# Altium PCB gpn-badge.PcbDoc (part 1 of 2)
Units mm, origin at the board's own origin, x right, y up, seen from the top; angles counter-clockwise.
Board outline 33.25 x 156.75 mm, 2 copper layers (Top Layer, Bottom Layer), stack 1.571 mm thick; 107 components, 92 nets, 457 pads, 381 vias.
Unrouted connection lines stored in the file: 2.
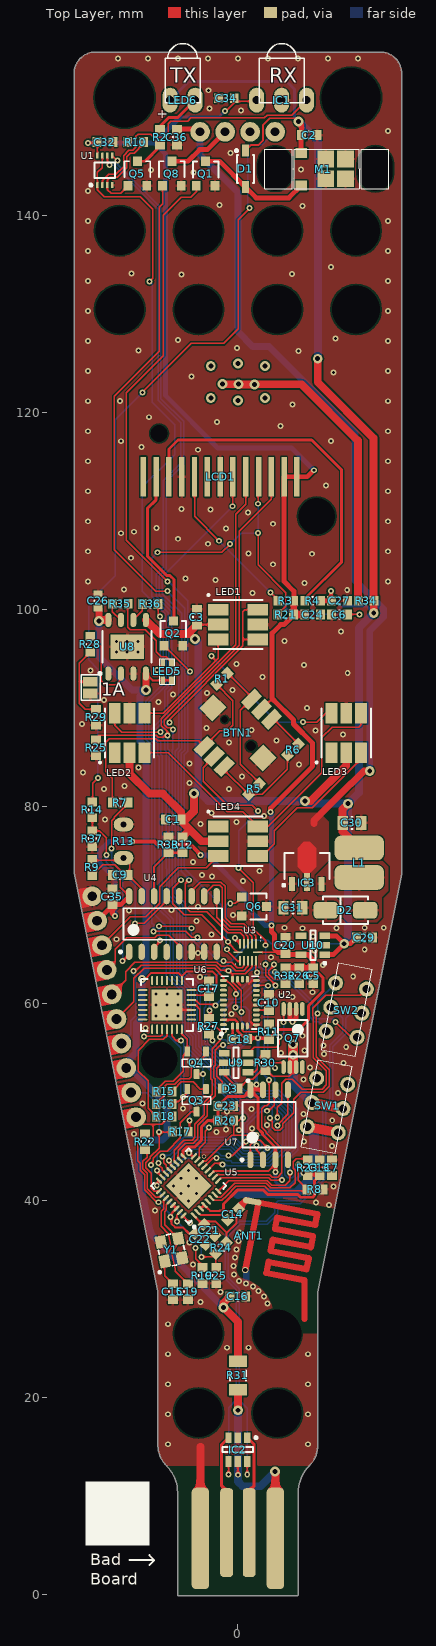
[diagram p0: Top Layer view]
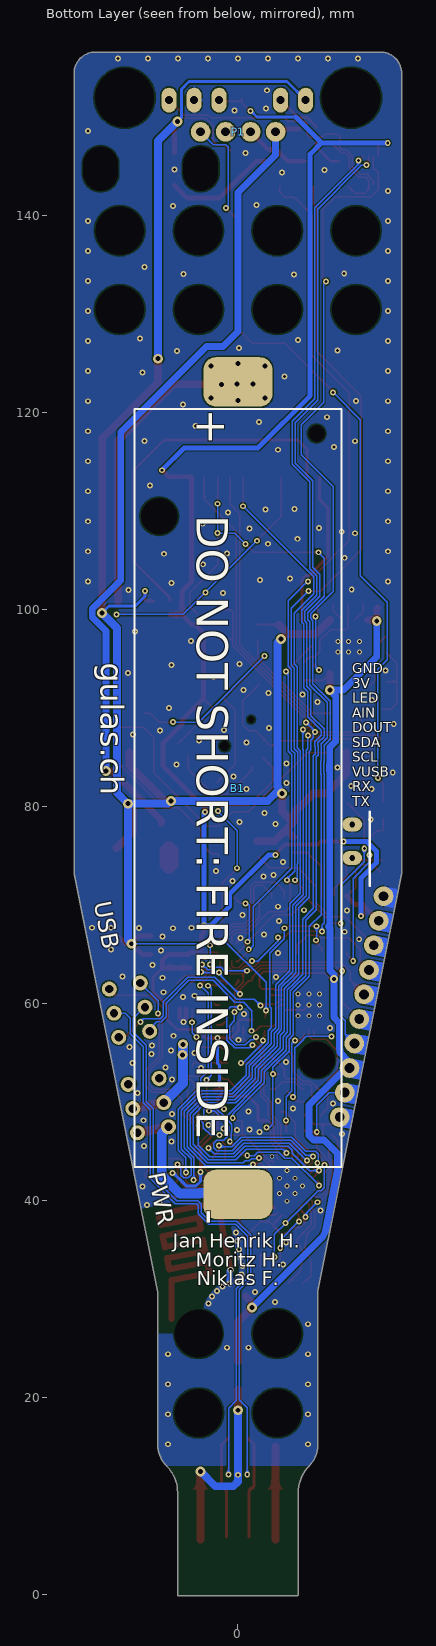
[diagram p1: Bottom Layer view, seen from below]
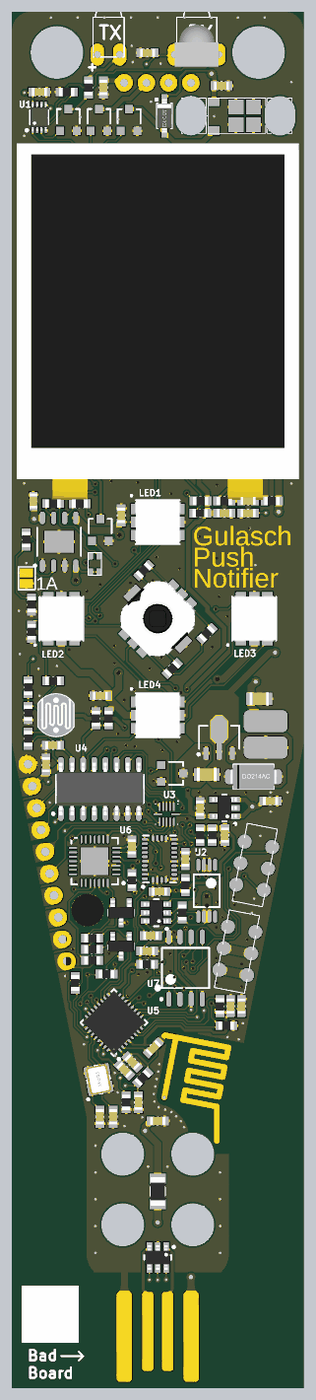
[diagram p3: 3D render of the assembled board from above, using the file's embedded part models]

## Layer stack, top to bottom
Top Solder: solder mask 0.0102, Solder Resist, Dk 3.5
Top Layer: signal copper 0.0356
Dielectric 1: dielectric 1.5, FR-4, Dk 4.8
Bottom Layer: signal copper 0.0356
Bottom Solder: solder mask 0.0102, Solder Resist, Dk 3.5

## Board outline
-7.241,13.061 cw(c-5.098,15.202) -8.126,15.107 cw(c-8,15.126) -8.127,15.126 -8.127,30.787 -16.625,73.275 cw(c-16.5,73.3) -16.627,73.3 -16.627,154.5 cw(c-14.5,154.5) -14.5,156.627 14.5,156.627 cw(c14.5,154.5) 16.627,154.5 16.627,73.2 cw(c16.5,73.2) 16.625,73.175 8.127,30.687 8.127,15.202 ccw(c8,15.202) 8.127,15.203 8.127,15.202 cw(c5.098,15.202) 7.241,13.061 cw(c5.098,15.202) 7.24,13.06 ccw(c7.15,13.15) 7.241,13.061 7.24,13.06 ccw(c9.926,10.374) 6.127,10.374 6.127,0 cw(c6,0) 6,-0.127 -6,-0.127 cw(c-6,0) -6.127,0 -6.127,10.374 ccw(c-9.926,10.374) -7.24,13.06 cw(c-7.15,13.15)

## Design rules (kind name [scope] priority, off if disabled: settings)
Clearance [All] p1: gap=0.15 ignorepadtopadclearanceinfootprint=FALSE except(0: Arc-Hole Track-Hole SMDPad-Hole THPad-Hole Via-Hole Fill-Hole Poly-Hole Region-Hole Text-Hole)
ComponentClearance [All] p1 off: gap=0.254 collisioncheckmode=3 verticalgap=0.254 showdistances=FALSE
DiffPairsRouting [All] p1: maxlimit=0.254 minlimit=0.15 mostfreqgap=0.15 toplayer_minwidth=0.15 toplayer_maxwidth=0.381 toplayer_prefwidth=0.15 bottomlayer_minwidth=0.15 bottomlayer_maxwidth=0.381 bottomlayer_prefwidth=0.15 maxuncoupledlength=12.7
PolygonConnect [All vs IsVia] p1: connectstyle=Direct reliefconductorwidth=0.254 reliefentries=4 polygonreliefangle="90 Angle" airgapwidth=0.254
PolygonConnect PolygonConnect_1 [All] p2: connectstyle=Relief reliefconductorwidth=0.3 reliefentries=4 polygonreliefangle="90 Angle" airgapwidth=0.1
RoutingVias [All] p1: holewidth=0.3 width=0.6 viastyle="Through Hole" minholewidth=0.3 minwidth=0.5 maxholewidth=0.8 maxwidth=1.4
SolderMaskExpansion [All] p1: expansion=0.102
Width [All] p1: maxlimit=1 minlimit=0.15 preferedwidth=0.15
28 further rules are at their usual default settings.

## Classes and differential pairs
component class gpio: *1 BTN1 C1 C2 C3 C5 C6 C7 C9 C10 C13 IC1 LCD1 LED1 LED2 LED3 LED4 LED6 Q2 Q5 R1 R2 R3 R4 R5 R6 R7 R8 R9 R10 R11 R12 R13 R14 R33 R37 U1 U2 U3 U4
component class power: B1 C26 C27 C29 C30 C31 C36 D1 D2 D3 IC2 IC3 L1 LED5 M1 P1 Q1 Q6 Q7 Q8 R27 R28 R29 R30 R31 R34 R35 R36 SW1 SW2 U8 U9 U10
component class cpu: ANT1 C14 C15 C16 C17 C18 C19 C20 C21 C22 C23 C24 C25 C32 C34 C35 Q3 Q4 R15 R16 R17 R18 R19 R20 R21 R22 R23 R24 R25 R26 R32 U5 U6 U7 Y1
differential pair USB: +USB_P -USB_N
differential pair SER: +SER_P -SER_N
differential pair PCB: +PCB_P -PCB_N
differential pair SW: +SW_P -SW_N

## Components (designator, comment, footprint, x,y, rotation, side; value= is the part's Value field where it differs from the comment)
ANT1 "ESP-ANTENNA" ESP8266_ANT 1.854,34.898 r0 top
B1 "18650-Holder" 18650–Holder-SMD 0,81.9 r180 bottom
BTN1 "joystick" joystick 0,87.5 r45 top
C1 "100n 25V" C-0603-M -6.553,78.713 r0 top
C2 "100n 25V" C-0603-M 7.264,148.209 r180 top
C3 "100n 25V" C-0603-M -4.166,99.263 r270 top
C5 "100n 25V" C-0603-M 7.645,62.84 r90 top
C6 "100n 25V" C-0603-M 10.312,99.517 r0 top
C7 "220p 50V" C-0603-M 9.55,43.358 r90 top
C9 "100n 25V" C-0603-M -11.963,73.076 r0 top
C10 "100n 25V" C-0603-M 3.15,60.12 r270 top
C13 "100n 25V" C-0603-M 8.306,43.358 r270 top
C14 "5.6p 50V" C-0603-M -0.5,38.6 r45 top
C15 "5.6p 50V" C-0603-M -6.604,30.758 r90 top
C16 "1u 10V" C-0603-M 0,30.275 r180 top
C17 "100n 25V" C-0603-M -2.946,61.517 r270 top
C18 "100n 25V" C-0603-M 0.203,56.412 r0 top
C19 "5.6p 50V" C-0603-M -5.08,30.758 r90 top
C20 "1u 10V" C-0603-M 4.825,65.913 r270 top
C21 "10u 6,3V" C-0603-M -2.9,37 r135 top
C22 "100n 25V" C-0603-M -3.8,36.1 r135 top
C23 "1u 10V" C-0603-M -1.219,49.63 r180 top
C24 "100n 25V" C-0603-M 7.595,99.517 r180 top
C25 "220p 50V" C-0603-M -2.2,32.4 r90 top
C26 "10u 6,3V" C-0603-H -14.2,100.9 r270 top
C27 "10u 6,3V" C-0603-M 10.312,100.914 r180 top
C29 "1u 10V" C-0603-M 12.852,66.724 r180 top
C30 "47u 6.3V" C-0805-M 11.582,78.358 r180 top
C31 "47u 6.3V" C-0805-M 5.588,69.747 r0 top
C32 "100n 25V" C-0603-M -13.5,147.5 r180 top
C34 "100n 25V" C-0603-M -1.168,151.943 r0 top
C35 "100n 25V" C-0603-M -12.751,70.865 r270 top
C36 "1u 10V" C-0603-M -6.198,148.006 r90 top
D1 "BAT54T1G" SOD123 0.762,144.779 r90 top
D2 "B230A-13-F" DIODE-SMA 10.922,69.493 r270 top
D3 "RB520S30T1G" C-0603-M -0.787,51.384 r0 top
IC1 "TL1838" TL1838 4.445,151.5 r0 top
IC2 "USBLC6-2SC6" SOT23-6 0,14.731 r270 top
IC3 "BL8530" SOT89-150P409X160-3N 7.009,73.96 r90 top
L1 "L" L 12.319,74.319 r270 top
LCD1 "LCD" LCD -16.203,103.511 r0 top
LED1 "WS2813" plcc6 0,98.5 r0 top
LED2 "WS2813" plcc6 -11,87.5 r90 top
LED3 "WS2813" plcc6 11,87.5 r90 top
LED4 "WS2813" plcc6 0,76.5 r0 top
LED5 "DUO_LED" LEDDUO -7.931,95.039 r270 top
LED6 "IR_LED" IR_LED -5.613,151.5 r0 top
M1 "VIBRATOR" VIBRATOR_SMD 15.326,146.779 r180 top
P1 "Header 4H" HDR1X4H_wo_silk -3.835,148.539 r0 bottom
Q1 "AO3400" AO-SOT23-3_V -3.277,144.296 r0 top
Q2 "AO3400" AO-SOT23-3_V -6.553,97.611 r0 top
Q3 "NPN_MMBT3904" SOT23-3 -4.191,50.189 r270 top
Q4 "NPN_MMBT3904" SOT23-3 -4.191,53.999 r270 top
Q5 "AO3400" AO-SOT23-3_V -10.2,144.3 r0 top
Q6 "AO3400" AO-SOT23-3_V 1.651,69.874 r270 top
Q7 "CEG8205" SOP64P640X265-8N 5.588,56.514 r270 top
Q8 "AO3400" AO-SOT23-3_V -6.7,144.3 r0 top
R1 "100k" R-0603-M -1.6,93 r225 top
R2 "100" R-0603-M -7.899,148.006 r90 top
R3 "12k" R-0603-M 4.877,100.914 r180 top
R4 "33" R-0603-M 7.595,100.914 r0 top
R5 "100k" R-0603-M 1.651,81.812 r45 top
R6 "100k" R-0603-M 5.6,85.8 r225 top
R7 "200k" R-0603-M -11.938,80.416 r180 top
R8 "100k" R-0603-M 7.823,41.148 r180 top
R9 "100k" R-0603-M -14.783,73.838 r270 top
R10 "12k" R-0603-M -10.389,147.498 r0 top
R11 "12k" R-0603-M 3.15,57.149 r270 top
R12 "330k" R-0603-M -5.613,76.148 r90 top
R13 "LDR" LDR-5mm -11.608,76.503 r90 top
R14 "330k" R-0603-M -14.783,79.68 r90 top
R15 "12k" R-0603-M -7.493,51.103 r0 top
R16 "12k" R-0603-M -7.493,49.833 r180 top
R17 "470" R-0603-M -5.842,47.014 r179.6 top
R18 "470" R-0603-M -7.493,48.563 r0 top
R19 "12k" R-0603-M -3.6,32.4 r270 top
R20 "1.2k" R-0603-M -1.219,48.132 r180 top
R21 "4k7" R-0603-M 4.851,99.517 r180 top
R22 "12k" R-0603-M -9.423,45.998 r270 top
R23 "12k" R-0603-M 7.087,43.358 r90 top
R24 "12k" R-0603-M -1.7,35.2 r225 top
R25 "12k" R-0603-M -14.4,86 r90 top
R26 "4k7" R-0603-M 6.223,62.84 r270 top
R27 "100" R-0603-M -2.946,57.707 r90 top
R28 "1.2k" R-0603-M -15,96.5 r90 top
R29 "1.2k" R-0603-M -14.4,89.1 r90 top
R30 "1.2k" R-0603-M 2.794,54.026 r90 top
R31 "0.27" R-1206-M 0,22.25 r90 top
R32 "4k7" R-0603-M 4.826,62.84 r270 top
R33 "1M" R-0603-M -7.061,76.149 r270 top
R34 "0" R-0603-M 13.03,100.914 r0 top
R35 "470" R-0603-M -11.938,100.608 r0 top
R36 "470" R-0603-M -8.9,100.6 r0 top
R37 "1M" R-0603-M -14.783,76.759 r90 top
SW1 "SWITCH_2P2T" SWITCH_THT 8.17,54.319 r259 top
SW2 "SWITCH_2P2T" SWITCH_THT 11.935,54.681 r79 top
U1 "74LVC2G125" DCU0008A_L -13.513,144.628 r90 top
U2 "BNO-055 I2C" BNO-055 0.201,60.115 r90 top
U3 "PCA9571" SON40P210X100-10N 1.016,65.226 r270 top
U4 "CD4051BM" D0016A_M -6.604,68.096 r90 top
U5 "ESP8266EX" QFN32-5x5mm -5,41.5 r135 top
U6 "CP2102-GM" SLAB-QFN-28-3125x3125TP_M -7.199,59.876 r180 top
U7 "W25Q64" SOIC127P790X100-8N 3.175,47.7 r90 top
U8 "TP4056" SOIC127P600X20_HS-9N -11.25,96.25 r90 top
U9 "DW01A" SOT23-6 -0.178,54 r180 top
U10 "MIC5501-3.3V" SOT23-5 7.62,65.937 r180 top
Y1 "26MHz" 3225 -6.75,35 r101 top

## Footprints (in the part's own frame and the unit in brackets; to place one, negate y for a bottom-side part, rotate by r counter-clockwise, add the part's x,y. Pads: shape width x height; smd on the part's side, far side on the other; paste and mask are expansions set on the pad)
3225 [mm]
  rrect20% 1.3x1.1 smd: 1(-1,0.9) 2(1,0.9) 3(1,-0.9) 4(-1,-0.9)
  silkscreen extent -2.1,-1.3 1.6,1.7, body extent -1.6,-1.25 1.6,1.25, height 0.81
18650–Holder-SMD [mm]
  round 0 hole 3.7: 0(-8,27.6) 0(8,-27.6)
  round 0 hole 1.7: 0(8,36)
  rrect50% 7x5 smd: 1(0,41.25) 2(0,-41.25)
  silkscreen extent -10.5,-38.5 10.5,38.5, body extent -10.49,-38.5 10.49,38.46, height 21.46
AO-SOT23-3_V [mm] "SOT23, 3-Leads, Body 3.016x2.8mm, Pitch 0.95mm"
  rect 0.9x0.95 smd: 1(-0.95,-1.25) 2(0.95,-1.25) 3(0,1.25)
  silkscreen extent -1.3,-0.38 1.3,1.25, body extent -1.14,-1.25 1.17,1.36, height 1.25
BNO-055 [mm] "BNO055"
  oval 0.3x0.7 smd: 1(-2.245,1.671) 6(-2.255,-1.671) 7(-1.755,-1.671) 8(-1.255,-1.671) 9(-0.755,-1.671) 10(-0.255,-1.671) 11(0.245,-1.671) 12(0.745,-1.671) 13(1.245,-1.671) 14(1.745,-1.671) 15(2.245,-1.671) 20(2.255,1.671) 21(1.755,1.671) 22(1.255,1.671) 23(0.755,1.671) 24(0.255,1.671) 25(-0.245,1.671) 26(-0.745,1.671) 27(-1.245,1.671) 28(-1.745,1.671)
  oval 0.7x0.3 smd: 2(-2.382,0.744) 3(-2.382,0.244) 4(-2.382,-0.256) 5(-2.382,-0.756) 16(2.368,-0.756) 17(2.368,-0.256) 18(2.368,0.244) 19(2.368,0.744)
  silkscreen extent -3.3,-1.88 2.68,2, body extent -2.58,-1.88 2.57,1.87, height 1.18
C-0603-H [mm] "Chip Resistor, Body 1.6x0.8mm, IPC High Density"
  rect 0.7x0.9 smd: 1(-0.7,0) 2(0.7,0)
  silkscreen extent -0.05,-0.35 0.05,0.35, body extent -0.85,-0.45 0.85,0.45, height 0.9
C-0603-M [mm] "Chip Resistor, Body 1.6x0.8mm, IPC Medium Density"
  rect 0.9x1 smd: 1(-0.8,0) 2(0.8,0)
  silkscreen extent -0.05,-0.4 0.05,0.4, body extent -0.85,-0.45 0.85,0.45, height 0.9
C-0805-M [mm] "Chip Resistor, Body 2.0x1.3mm, IPC Medium Density"
  rect 1.05x1.4 smd: 1(-0.95,0) 2(0.95,0)
  silkscreen extent -0.05,-0.6 0.05,0.6, body extent -1.1,-0.72 1.1,0.73, height 1.35
D0016A_M [mm] "SOIC, 16-Leads, Body 10x4mm, Pitch 1.27mm, IPC Low Density"
  oval 1.65x0.65 smd: 1(-2.825,4.445) 2(-2.825,3.175) 3(-2.825,1.905) 4(-2.825,0.635) 5(-2.825,-0.635) 6(-2.825,-1.905) 7(-2.825,-3.175) 8(-2.825,-4.445) 9(2.825,-4.445) 10(2.825,-3.175) 11(2.825,-1.905) 12(2.825,-0.635) 13(2.825,0.635) 14(2.825,1.905) 15(2.825,3.175) 16(2.825,4.445)
  silkscreen extent -2.95,-5 1.6,5.44, body extent -3,-4.95 3,4.95, height 1.59
DCU0008A_L [mm] "SOP, 8-Leads, Body 2.4x2.1mm, Pitch 0.5mm, IPC High Density"
  rrect40% 0.6x0.25 smd: 1(-1.5,0.75) 2(-1.5,0.25) 3(-1.5,-0.25) 4(-1.5,-0.75) 5(1.5,-0.75) 6(1.5,-0.25) 7(1.5,0.25) 8(1.5,0.75)
  silkscreen extent -1.62,-1.05 0.8,1.55, body extent -1.56,-1 1.56,1, height 0.9
DIODE-SMA [mm]
  rrect50% 1.7x2.5 smd: 1(0,2) 2(0,-2)
  silkscreen extent -1.4,-2.3 1.4,2.3, body extent -1.4,-2.74 1.4,2.74, height 2.34
ESP8266_ANT [mil] "ESP8266_ANT"
  oval 75x25 smd rot 169 paste-78.74: 1(-15.69,198.06)
  round 25 hole 16 paste-78.74: 2(-43.62,-76.66)
  Top Layer lines w25: -43.62,-76.66 8.85,193.29 244.44,147.49 235.86,103.32 83.71,132.9 75.12,88.72 227.27,59.15 218.68,14.97 66.53,44.55 57.95,0.38 210.1,-29.2 201.51,-73.37 49.36,-43.8 40.77,-87.97 192.93,-117.55 192.93,-271.96
HDR1X4H_wo_silk [mm]
  round 2 hole 0.9: 1(0,0) 2(2.54,0) 3(5.08,0) 4(7.62,0)
IR_LED [mil]
  oval 60x99.37 hole 31.5: 1(-50,10) 2(50,10)
  silkscreen extent -70,0 70,236
joystick [mm]
  round 0 hole 1 unplated: 0(0,-1.9)
  round 0 hole 0.7 unplated: 0(0,1.9)
  rect 2x1.1 smd: 1(-3.39,1.43) 2(-3.39,0) 3(-3.39,-1.43) 4(3.39,1.43) 5(3.39,0) 6(3.39,-1.43)
  rect 2x1.9 smd: 7(0,-3.6) 7(0,3.6)
  body extent -3.74,-3.75 3.74,3.75, height 5
L [mm]
  rrect50% 2.5x5 smd: 1(-1.5,0) 2(1.5,0)
LCD [mm]
  rect 0.55x4 smd: 1(22.2,10) 2(20.9,10) 3(19.6,10) 4(18.3,10) 5(17,10) 6(15.7,10) 7(14.4,10) 8(13.1,10) 9(11.8,10) 10(10.5,10) 11(9.2,10) 12(7.9,10) 13(6.6,10)
  body extent 0.1,-2.5 32.3,38.1, height 0
LDR-5mm [mm]
  oval 1.4x2 hole 0.6: 1(-1.7,0) 2(1.7,0)
  body extent -2.52,-2.12 2.52,2.13, height 3.17
LEDDUO [mm]
  rect 0.75x0.5 smd: 1(2.2,1.2) 2(0.4,1.2) 3(2.2,0.3) 4(0.4,0.3)
  silkscreen extent 0,0 2.6,1.5
plcc6 [mm]
  rect 2.1x1.2 smd: 1(-2,1.5) 2(-2,0) 3(-2,-1.5) 4(2,-1.5) 5(2,0) 6(2,1.5)
  silkscreen extent -3.1,-2.5 2.5,3.1, body extent -2.6,-2.48 2.6,2.53, height 1.6
QFN32-5x5mm [mm]
  oval 0.8x0.25 smd: 1(-2.5,1.75) 2(-2.5,1.25) 3(-2.5,0.75) 4(-2.5,0.25) 5(-2.5,-0.25) 6(-2.5,-0.75) 7(-2.5,-1.25) 8(-2.5,-1.75) 17(2.5,-1.75) 18(2.5,-1.25) 19(2.5,-0.75) 20(2.5,-0.25) 21(2.5,0.25) 22(2.5,0.75) 23(2.5,1.25) 24(2.5,1.75)
  oval 0.25x0.8 smd: 9(-1.75,-2.5) 10(-1.25,-2.5) 11(-0.75,-2.5) 12(-0.25,-2.5) 13(0.25,-2.5) 14(0.75,-2.5) 15(1.25,-2.5) 16(1.75,-2.5) 25(1.75,2.5) 26(1.25,2.5) 27(0.75,2.5) 28(0.25,2.5) 29(-0.25,2.5) 30(-0.75,2.5) 31(-1.25,2.5) 32(-1.75,2.5)
  rect 3.3x3.3 smd: 33(0,0)
  silkscreen extent -3.47,-2.7 2.7,2.7, body extent -2.51,-2.51 2.51,2.51, height 0.8
R-0603-M [mm] "Chip Resistor, Body 1.6x0.8mm, IPC Medium Density"
  rect 0.9x1 smd: 1(-0.8,0) 2(0.8,0)
  silkscreen extent -0.05,-0.4 0.05,0.4, body extent -0.87,-0.47 0.88,0.48, height 0.55
R-1206-M [mm] "Chip Resistor, Body 3.2x1.6mm, IPC Medium Density"
  rect 1.15x1.8 smd: 1(-1.45,0) 2(1.45,0)
  silkscreen extent -0.5,-0.8 0.5,0.8, body extent -1.62,-0.82 1.63,0.83, height 0.7
SLAB-QFN-28-3125x3125TP_M [mm] "QFN, 28-Leads, Body 5x5mm, Pitch 0.5mm, Thermal Pad 3.13x3.13mm, IPC Low Density"
  oval 0.95x0.2 smd: 1(-2.475,1.5) 2(-2.475,1) 3(-2.475,0.5) 4(-2.475,0) 5(-2.475,-0.5) 6(-2.475,-1) 7(-2.475,-1.5) 15(2.475,-1.5) 16(2.475,-1) 17(2.475,-0.5) 18(2.475,0) 19(2.475,0.5) 20(2.475,1) 21(2.475,1.5)
  oval 0.2x0.95 smd: 8(-1.5,-2.475) 9(-1,-2.475) 10(-0.5,-2.475) 11(0,-2.475) 12(0.5,-2.475) 13(1,-2.475) 14(1.5,-2.475) 22(1.5,2.475) 23(1,2.475) 24(0.5,2.475) 25(0,2.475) 26(-0.5,2.475) 27(-1,2.475) 28(-1.5,2.475)
  rect 3.13x3.13 smd: 29(0,0)
  silkscreen extent -3.42,-2.65 2.65,2.65, body extent -2.5,-2.5 2.5,2.5, height 1
SOD123 [mm]
  rect 1.2x0.7 smd: 1(-1.85,0) 2(1.85,0)
  silkscreen extent -1.43,-0.85 1.97,1.02, body extent -1.93,-0.85 1.93,0.85, height 1.42
SOIC127P600X20_HS-9N [mm] "SOIC, 8-Leads, Body 4,90x3,90mm, Pitch 1,27mm, Thermal Pad 3,40x2,50mm, IPC Medium Density"
  oval 1.45x0.6 smd: 1(-2.725,1.905) 2(-2.725,0.635) 3(-2.725,-0.635) 4(-2.725,-1.905) 5(2.725,-1.905) 6(2.725,-0.635) 7(2.725,0.635) 8(2.725,1.905)
  rect 2.5x3.4 smd: 9(0,0)
  silkscreen extent -2.85,-2.5 1.6,2.88, body extent -2,-2.5 2,2.5, height 1
SOIC127P790X100-8N [mm] "SOIC, 8-Leads, Body 5.28x5.28mm, Pitch 1.27mm, IPC Medium Density"
  oval 1.7x0.6 smd: 1(-3.55,1.905) 2(-3.55,0.635) 3(-3.55,-0.635) 4(-3.55,-1.905) 5(3.55,-1.905) 6(3.55,-0.635) 7(3.55,0.635) 8(3.55,1.905)
  silkscreen extent -3.67,-2.7 2.3,2.88, body extent -2.7,-2.7 2.7,2.7, height 1
SON40P210X100-10N [mm] "SON, 10-Leads, Body 2.30x2.05mm, Pitch 0.40mm, IPC Medium Density"
  rect 0.95x0.2 smd: 1(-0.865,0.8) 2(-0.865,0.4) 3(-0.865,0) 4(-0.865,-0.4) 5(-0.865,-0.8) 7(0.865,-0.8) 8(0.865,-0.4) 9(0.865,0) 10(0.865,0.4) 11(0.865,0.8)
  rect 0.2x0.95 smd: 6(0,-1) 12(0,1)
  silkscreen extent -1.55,-1.3 1.15,1.35, body extent -1.05,-1.2 1.05,1.2, height 1
SOP64P640X265-8N [mm] "SOP, 8-Leads, Body 3.00x4.40mm, Pitch 0.64mm, IPC Medium Density"
  oval 1.4x0.45 smd: 1(-2.95,0.952) 2(-2.95,0.317) 3(-2.95,-0.318) 4(-2.95,-0.953) 5(2.95,-0.952) 6(2.95,-0.317) 7(2.95,0.318) 8(2.95,0.953)
  silkscreen extent -1.85,-1.5 1.85,1.5, body extent -2.25,-1.5 2.25,1.5, height 2.65
SOT23-3 [mm] "SOT23, 3 pin"
  round 0.5 on Mech15: 0(0,0)
  rrect25% 1x0.6 smd: 1(-1.15,0.95) 2(-1.15,-0.95) 3(1.15,0)
  silkscreen extent -0.38,-1.45 0.38,1.45, body extent -1.4,-1.45 1.4,1.45, height 1.29
SOT23-5 [mm] "SOT23, 5-Leads, Body 2.9x1.6mm, Pitch 0.95mm, Lead Span 2.8mm, IPC Medium Density"
  rect 1.1x0.65 smd: 1(-1.2,0.95) 2(-1.2,0) 3(-1.2,-0.95) 4(1.2,-0.95) 5(1.2,0.95)
  silkscreen extent -1.33,-1.5 0.25,1.95, body extent -1.4,-1.45 1.4,1.45, height 1.45
SOT23-6 [mm] "SOT23, 6-Leads, Body 2.9x1.6mm, Pitch 0.95mm, Lead Span 2.8mm, IPC Medium Density"
  rect 1.1x0.65 smd: 1(-1.2,0.95) 2(-1.2,0) 3(-1.2,-0.95) 4(1.2,-0.95) 5(1.2,0) 6(1.2,0.95)
  silkscreen extent -1.32,-1.55 0.25,1.95, body extent -1.4,-1.45 1.4,1.45, height 1.45
SOT89-150P409X160-3N [mm] "SOT89, 3-Leads, Body 4.50x2.45mm, Pitch 1.50mm, Lead Span 4.1mm, IPC Medium Density"
  rect 1.4x0.6 smd: 1(-1.8,1.5) 3(-1.8,-1.5)
  rect 1.8x0.6 smd: 2(-1.6,0)
  Top Layer region: -0.7,0.3 -0.05,0.95 1.85,0.95 2.5,0.3 2.5,-0.3 1.85,-0.95 -0.05,-0.95 -0.7,-0.3
  silkscreen extent -2.05,-2.3 1.32,2.47, body extent -1.28,-2.3 1.32,2.3, height 1.6
SWITCH_THT [mm]
  round 1.524 hole 0.85 paste+0: 1(1.9,0.2) 2(4.4,0.2) 3(6.9,0.2) 4(6.9,3.4) 5(4.4,3.4) 6(1.9,3.4)
  silkscreen extent 0,0 9,3.5
TL1838 [mil]
  oval 60x99.37 hole 31.5: 1(-100,10) 2(0,10) 3(100,10)
  silkscreen extent -90,0 90,236, body extent -100,-44 100,144, height 433
VIBRATOR_SMD [mm]
  rect 1.2x1 smd: 1(8.9,0.4) 2(8.9,3.7)
  rect 1.7x1.7 smd: SH(4.4,3) SH(4.4,1) SH(6.4,3) SH(6.4,1)
  silkscreen extent 0,0 12.6,4

## Part data
ANT1: library part ESP-ANT
B1: library part 18650–Holder
C1 C2 C3 C5 C6 C9 C10 C13 C17 C18 C22 C24 C32 C34 C35: library part C-0603-100n-25V, "Capacitor 100n 25V", Supplier Part Number 1=80-C0603C104K3R, Supplier 1=Mouser
C7 C25: library part C-0603-220p-50V, "Capacitor 220p 50V", Supplier Part Number 1=80-C0603C221F5GAC, Supplier 1=Mouser
C14 C15 C19: library part C-0603-5p6-50V, "Capacitor 5.6pF 50V", Supplier Part Number 1=80-C0603C569C5GACTM, Supplier 1=Mouser
C16 C20 C23 C29 C36: library part C-0603-1u-10V, "Capacitor 1uF 10V", Supplier Part Number 1=80-C0603C105K8P, Supplier 1=Mouser
C21 C26 C27: library part C-0603-10u-6,3V, "Capacitor 10uF 6,3V", Supplier Part Number 1=80-C0603C106M9P, Supplier 1=Mouser
C30 C31: library part C-0805-47u-6.3V, "Capacitor 47u 6.3V", Supplier Part Number 1=80-C0805C476M9P, Supplier 1=Mouser
D1: library part D-BAT54T1G, Supplier Part Number 1=863-BAT54T1G, Supplier 1=Mouser
D2: library part D-B230A-13-F, Supplier Part Number 1=621-B230A-F, Supplier 1=Mouser
D3: library part CMP-1055-00482-1, "Schottky Barrier Diode, 2-Pin SOD-523, Pb-Free, Tape and Reel", Manufacturer="On Semiconductor", ComponentLink1Description="Manufacturer URL", ComponentLink1URL=http://www.onsemi.com/, ComponentLink2Description=Datasheet, ComponentLink2URL=http://www.onsemi.cn/pub_link/Collateral/RB520S30T1-D.PDF, ComponentLink3Description="Package Specification", ComponentLink3URL=http://www.onsemi.com/pub_link/Collateral/502-01.PDF, Configuration=Single, DatasheetVersion="Rev. 10", Mounting Technology="Surface Mount", PackageDescription="2-Pin SOD, Body 1.2 x 0.8 mm", PackageReference=SOD-523-2-502-01, PackageVersion="Rev. E, 09/2010", Packing="Tape and Reel", PartNumber=RB520S30T1G, RoHS=TRUE
IC2: "USB protection"
LED1 LED2 LED3 LED4: "WS2813 Addressable LED"
M1: "rawr"
P1: "Header, 4-Pin, Right Angle", LatestRevisionDate=17-Jul-2002, LatestRevisionNote="Re-released for DXP Platform.", Publisher="Altium Limited"
Q1 Q2 Q5 Q6 Q8: library part CMP-0278-00001-1, "N-channel Enhancement Mode Field-Effect Transistor; 5.8A/30V", Drain-Source Voltage Limit="30 V", Gate-Source Voltage Limit="+/-12 V", Junction Temperature="-55 to 150 degC", Manufacturer="Alpha and Omega", Channel Type=N, ComponentLink1Description="Manufacturer URL", ComponentLink1URL=http://www.aosmd.com/, ComponentLink2Description=Datasheet, ComponentLink2URL=http://www.aosmd.com/res/data_sheets/AO3400.pdf, ComponentLink3Description="Package Specification", ComponentLink3URL=http://www.aosmd.com/res/packaging_information/SOT-23.pdf, DatasheetVersion="Rev.8, 12/2011", Mounting Technology="Surface Mount", PackageDescription="3-Pin SOT23, 3.016 x 2.8 mm Body, 0.95 mm Pitch", PackageReference=SOT23, PartNumber=AO3400, Storage Temperature="-55 to 150 degC"
Q3 Q4: "Transistor SMD NPN 40V 0.2A 250mW SOT-23", Manufacturer 1="Fairchild Semiconductor", Manufacturer 2="NXP Semiconductors", Manufacturer Part Number 1=S8050, Manufacturer Part Number 2=PMBT3904,215, Package / Case=SOT-23, Ratings="40V; 200mA; 250mW", Supplier Part Number 1=MMBT3904FSCT-ND, ComponentLink1Description=http://www.fairchildsemi.com/ds/MM/MMBT3904.pdf, ComponentLink1URL=http://www.fairchildsemi.com/ds/MM/MMBT3904.pdf, ComponentLink2Description=http://www.nxp.com/documents/data_sheet/PMBT3904.pdf, ComponentLink2URL=http://www.nxp.com/documents/data_sheet/PMBT3904.pdf, Material=Si, Mounting Type="Surface Mount", SCDType=source, Supplier 1=Digi-Key, Supplier 2=Digi-Key, Supplier Part Number 2=568-1741-1-ND, Transistor Type=NPN
Q7: library part MOSFET-CEG8205, "Dual mini mosfet 20V 4.5A", Supplier 1=AliExpress
R1 R5 R6 R8: library part R-0603-100k, "Resistor 100k", Supplier Part Number 1=71-CRCW0603-100K-E3, Supplier 1=Mouser
R2 R27: library part R-0603-100, "Resistor 100", Supplier Part Number 1=71-CRCW0603-100-E3, Supplier 1=Mouser
R3 R10 R11 R15 R16 R19 R22 R23 R24 R25: library part R-0603-12k, "Resistor 12k", Supplier Part Number 1=71-CRCW0603-12K-E3, Supplier 1=Mouser
R4: library part R-0603-10, "Resistor 10", Supplier Part Number 1=71-CRCW0603-10-E3, Supplier 1=Mouser
R7: library part R-0603-200k, "Resistor 200k", Supplier Part Number 1=71-CRCW0603-200K-E3, Supplier 1=Mouser
R9 R12 R14: library part R-0603-300k, "Resistor 300k", Resistance=300k, Supplier Part Number 1=71-CRCW0201300KFKED, Supplier 1=Mouser
R17 R18 R35 R36: library part R-0603-470, "Resistor 470", Supplier Part Number 1=71-CRCW0603-470K-E3, Supplier 1=Mouser
R20 R28 R29 R30: library part R-0603-1k2, "Resistor 1.2k"
R21: library part R-0603-4k7, "Resistor 4k7", Supplier Part Number 1=71-CRCW0603-12K-E3, Supplier 1=Mouser
R26 R32: library part R-0603-4k7, "Resistor 4k7", Supplier Part Number 1=71-CRCW0603-4.7K-E3, Supplier 1=Mouser
R31: library part R-1206-0R27, "Resistor 0.27", Supplier Part Number 1=71-RCWE1206R270FKEA, Supplier 1=Mouser
R33 R37: library part R-0603-1, "Resistor 1", Supplier Part Number 1=71-CRCW06031R00FKEAH, Supplier 1=Mouser
R34: library part R-0603-0, "Resistor 0", Supplier Part Number 1=71-CRCW0603-0-E3, Resistance=0, Supplier 1=Mouser
U1: library part CMP-0859-00683-3, "Dual Bus Buffer Gate With 3-State Outputs, DCU0008A, SMALL T&R", F @ Nom Voltage(Max)(Mhz)=150, Generic Part Number=SN74LVC2G126, ICC @ Nom Voltage(Max)(mA)=0.01, Manufacturer="Texas Instruments", Operating Temperature Range(C)="-40 to 125", Rating=Catalog, tpd @ Nom Voltage(Max)(ns)=9.8,4.9,4,3.2, Voltage(Nom)(V)=1.8,2.5,3.3,5, 3-State Output=Yes, Bits(#)=2, DatasheetVersion=SCES205L, Input Type=CMOS/TTL, Logic=True, Output Drive (IOL/IOH)(Max)(mA)=32/-32, Output Type=CMOS, PackageReference=DCU0008A, PartId=1, Schmitt Trigger=No, Sub-Family="Non-Inverting Buffer/Driver", Technology Family=LVC, VCC(Max)(V)=5.5, VCC(Min)(V)=1.65
U2: library part BNO-055-I2C, "Bosch Sensortec 9-Axis motion fusion sensor", Supplier Part Number 1=262-BNO055, Supplier 1=Mouser
U3: "I2C Port extender"
U4: library part CMP-1575-00043-4, "CMOS Single 8-Channel Analog Multiplexer/Demultiplexer with Logic-Level Conversion, D0016A, TUBE", Generic Part Number=CD4051B, Manufacturer="Texas Instruments", Operating Temperature Range(C)="-55 to 125", Rating=Military, Bandwidth(Max)(MHz)=20, Code_JEDEC="MS-012 variation AC", Configuration="1 X 1:8 MUX", Crosstalk=Yes, DatasheetVersion=SCHS047G, ICC(Typ)(mA)=0.00008, Output Drive (IOL/IOH)(Max)(mA)=1, Output Type=CMOS, PackageReference=D0016A, PackageVersion=http://www.ti.com/lit/ml/mpds178g/mpds178g.pdf, Ron(Max)(Ohms)=240, Ron(Typ)(Ohms)=125, VCC(Max)(V)=18, VCC(Min)(V)=5
U6: library part CMP-0511-00012-1, "Single-Chip USB to UART Bridge, 1024 Bytes EEPROM, -40 to 85 degC, 28-pin QFN, Tube", Manufacturer="Silicon Labs", Code_IPC=J-STD-020C, Code_JEDEC=MO-220, ComponentLink1Description="Manufacturer URL", ComponentLink1URL=http://www.silabs.com/, ComponentLink2Description=Datasheet, ComponentLink2URL=http://www.silabs.com/Support%20Documents/TechnicalDocs/CP2102-9.pdf, ComponentLink3Description="Package Specification", ComponentLink3URL=http://www.silabs.com/Support%20Documents/TechnicalDocs/C8051T61x.pdf, DatasheetVersion="Rev. 1.5", EEPROM="1024 Bytes", Internal Oscillator=TRUE, Mounting Technology="Surface Mount", PackageDescription="28-Pin Quad-Flat No-Leads Package, Body 5 x 5 mm, Pitch 0.5 mm", PackageReference=QFN-28, PartId=1, PartNumber=CP2102-GM, Sub-Family="USB Bridges"
U7: "8MB / 64Mib Flash"
U8: "1A standalone linear charging IC", Supplier 1=AliExpress
U9: "Single Cell LiIon LiPo Protection"
U10: Supplier Part Number 1=998-MIC5501-3.0YM5TR, Supplier 1=Mouser
Y1: library part 3225-26MHz

## Free pads (board coordinates)
  round 0 hole 6 unplated: 0(-11.5,152) 0(11.5,152)
  round 2 hole 1: 1(-14.789,70.914) 1(-14.295,68.423) 1(-13.802,65.931) 1(-13.309,63.439) 1(-12.815,60.948) 1(-12.322,58.456) 1(-11.829,55.965) 1(-11.335,53.473) 1(-10.846,50.976) 1(-10.338,48.487)
  rrect50% 1.778x10.3 smd paste-10: 1(-3.81,5.7) 4(3.81,5.7)
  rrect50% 1.3x9 smd paste-10: 2(-1.143,6.3) 3(1.143,6.3)
  round 0 hole 4.9 unplated: 4(-12,130.5) 4(-4,18.45) 4(4,130.5) 5(-4,130.5) 5(4,18.45) 5(12,130.5) 6(-4,138.5) 6(4,26.5) 6(12,138.5) 7(-12,138.5) 7(-4,26.5) 7(4,138.5)
  rect 1.5x1 smd paste-10: 8(-15,91.5) 8(-15,92.7)
  round 0 hole 3.5 slot 4.5 at 90 deg unplated: ""(3.785,144.805) ""(13.945,144.78)

## Via types
v1: diameter 0.6, hole 0.3, Top Layer to Bottom Layer, tented both sides, 331 vias
v2: diameter 1, hole 0.5, Top Layer to Bottom Layer, tented both sides, 25 vias
v3: diameter 0.5, hole 0.3, Top Layer to Bottom Layer, 23 vias
v4: diameter 0.8, hole 0.4, Top Layer to Bottom Layer, tented both sides, 1 vias
v5: diameter 0.4, hole 0.3, Top Layer to Bottom Layer, tented both sides, 1 vias

## Nets (pads, with @x,y where several pads share a name; then routed paths per layer and width w, separated by ;. In a path a pad name is that pad's centre, name@x,y a point inside that pad or via, vN(x,y) a via of type N, cw(c..) or ccw(c..) an arc to the next point about the centre after c; other vN are vias at no path point)
5V: C31.2 C36.2 D2.2 IC3.2 P1.1 | length 84.7
  Top Layer w0.5: C36.2@-6.198,148.806 -4.102,148.806 P1.1@-3.835,148.539
  Top Layer w0.7: 7.747,78.307 7.747,78.612 11.481,82.345 11.481,82.32 12.803,83.642 v2(13.386,83.642)
  Bottom Layer w0.7: P1.1@-3.835,148.539 -3.835,146.202 0,142.367 0,128.25 1.5,126.75 3.171,126.75 11.9,118.021 11.9,102.976 14.792,100.084 14.792,99.255 13.386,97.849 v2(13.386,83.642)
ADC: C7.1 R8.2 U4.3 U5.6 | length 58
  Top Layer w0.15: U4.3@-8.509,65.271 -8.509,65.684 -7.925,66.269 v1(-7.925,66.446) ; v1(-8.001,67.869) -4.928,67.869 v1(-4.724,67.666) ; U5.6@-2.388,40.05 -2.371,40.034 -1.623,40.034 -1.15,40.506 -1.15,40.513 -0.218,41.445 2.748,41.445 3.205,40.988 6.863,40.988 R8.2@7.023,41.148 6.108,42.063 6.108,43.649 6.121,43.663 v1(6.13,43.663) 6.245,43.663 6.517,43.391 8.741,43.391 9.55,42.581 C7.1@9.55,42.558 ; C7.1@9.144,42.202 C7.1@9.5,42.558
  Bottom Layer w0.15: v1(-8.001,67.869) -8.001,66.523 v1(-7.925,66.446) ; v1(-4.724,67.666) -4.724,66.599 -3.251,65.126 -3.251,59.67 -3.395,59.526 -3.395,57.576 -3.09,57.271 -3.09,56.044 -0.872,53.825 -0.872,52.738 0.714,51.152 3.789,51.152 5.763,49.179 5.763,45.239 4.758,44.235 4.758,42.632 5.066,42.325 5.501,42.325 5.808,42.632 5.808,43.341 v1(6.13,43.663)
ALKSNS: R14.1 R37.2 U4.1 | length 17.5
  Top Layer w0.15: R14.1@-14.783,78.88 R37.2@-14.783,77.559 -14.084,77.559 -13.335,76.81 -13.36,76.784 v1(-13.36,75.082) ; v1(-11.709,64.338) -11.049,64.999 U4.1@-11.049,65.271
  Bottom Layer w0.15: v1(-13.36,75.082) -13.36,74.346 -11.709,72.695 v1(-11.709,64.338)
BATLVL: R12.1 R33.2 U4.14 | length 6.7
  Top Layer w0.2: U4.14@-8.509,70.667 U4.14@-8.509,70.921 -8.509,73.901 R33.2@-7.061,75.349 -7.06,75.348 R12.1@-5.613,75.348
BNO_INT: U2.14 U5.10 | length 29.1
  Top Layer w0.15: U5.10@-2.348,42.384 -2.087,42.645 3.245,42.645 3.491,42.4 4.027,42.4 4.445,42.817 4.445,45.288 2.86,46.874 2.86,46.97 2.85,46.98 2.85,47.056 2.425,47.481 2.425,47.729 2.423,47.731 2.423,49.343 2.733,49.652 2.943,49.652 3.175,49.884 v1(3.175,52.248) ; U2.14@1.872,61.86 U2.14@1.919,61.86 ; U2.14@1.874,61.814 U2.14@1.919,61.86 ; v1(3.048,61.824) 3.012,61.86 U2.14@1.919,61.86
  Bottom Layer w0.15: v1(3.048,61.824) 2.973,61.824 2.701,61.551 2.701,52.722 v1(3.175,52.248)
EN: R23.2 U5.7 | length 13.1
  Top Layer w0.15: U5.7@-2.348,40.616 -2.066,40.334 -1.747,40.334 -1.45,40.63 -1.45,40.637 -0.343,41.745 2.873,41.745 3.33,41.288 5.285,41.288 5.808,41.811 5.808,43.067 5.605,43.27 5.605,43.959 5.904,44.258 R23.2@7.087,44.258
ESP_RX: pad.1@-10.846,50.976 R17.2 U5.25 | length 15.1
  Top Layer w0.15: U5.25@-8.005,40.97 -8.512,40.97 -8.788,41.247 -8.788,42.803 -9.339,43.354 -9.339,43.873 -8.882,44.33 -8.882,44.449 -8.01,45.321 v1(-8.01,46.954) -6.962,46.954 R17.2@-6.642,47.274
  Bottom Layer w0.15: pad.1@-10.846,50.976 -9.271,50.976 -8.001,49.706 -8.001,47.008 -8.055,46.954 v1(-8.01,46.954)
ESP_TX: pad.1@-10.338,48.487 R18.2 R22.2 U5.26 | length 13.8
  Top Layer w0.15: pad.1@-10.338,48.208 pad.1@-10.338,48.487 -9.601,47.751 -8.611,47.751 ; U5.26@-7.652,40.616 -7.902,40.366 -8.332,40.366 -9.182,41.215 -9.182,42.772 -9.639,43.229 -9.639,43.997 -9.22,44.415 -9.22,45.452 -8.611,46.062 -8.611,47.751 ; R18.2@-6.693,48.792 -7.734,47.751 -8.611,47.751
GND: ANT1.2 BTN1.7 C1.1 C2.1 C3.1 C5.1 C6.1 C7.2 C9.1 C10.1 C13.1 C15.1 C16.1 C17.1 C18.1 C19.1 C20.1 C21.1 C22.1 C23.1 C24.1 C25.1 C26.1 C27.1 C29.1 C30.1 C32.1 C34.1 C35.1 C36.1 IC1.2 IC2.2 LCD1.7 LCD1.10 LED1.5 LED2.5 LED3.5 LED4.5 M1.SH pad.1@-3.81,5.7 pad.1@-14.789,70.914 pad.8@-15,91.5 Q1.2 Q2.2 Q5.2 Q6.2 Q7.2 Q7.3 Q8.2 R8.1 R10.1 R13.2 R19.2 R25.1 R29.1 R33.1 R37.1 U1.4 U2.2 U2.5 U2.6 U2.10 U2.15 U2.16 U2.18 U2.25 U3.5 U4.6 U4.7 U4.8 U5.33 U6.3 U6.29 U7.4 U8.1 U8.3 U8.9 U10.2 Y1.2 Y1.4 | length 21.9
  Top Layer w0.2: v3(-7.199,59.876) -6.699,59.376 U6.3@-4.724,59.376 ; C18.1@-0.813,56.196 C18.1@-0.597,56.412 -0.543,56.466 U2.2@-0.543,57.733 ; v1(-0.275,66.653) -0.275,66.594 0.216,66.103 U3.5@0.216,66.091 ; U2.18@-0.043,62.483 -0.043,62.217 0.257,61.917 ; 1.114,62.007 1.467,62.36 U2.15@1.872,62.36 ; 1.329,58.137 1.607,57.86 U2.6@1.872,57.86 U2.6@2.144,57.86 ; U2.10@1.872,59.86 2.238,59.86 2.355,59.977
  Top Layer w0.5: Q7.3@5.271,59.464 5.271,58.483 5.348,58.405 5.348,58.33 v1(5.537,58.141) 5.905,58.509 Q7.2@5.905,59.464
  Top Layer w0.8: pad.1@-3.81,5.612 pad.1@-3.81,5.7 -3.81,15.01
  Bottom Layer w0.635: ANT1.2@0.746,32.951 0.838,32.859 v1(0.838,31.571)
  other v1: -7.112,15.264 7.112,15.264 -7.112,18.312 7.112,18.312 -7.112,21.36 7.112,21.36 -7.112,24.408 7.112,24.408 -1.092,25.068 1.092,25.068 -7.112,27.456 2.997,29.566 -3.785,29.691 2.642,30.251 -1.753,30.709 2.108,30.81 1.549,31.293 0.102,31.852 -0.381,32.487 -0.457,33.35 -4.572,33.527 -0.279,34.214 -0.127,35.052 -4.902,35.762 0.051,35.916 0.178,36.754 -8.407,39.014 9.246,39.573 7.95,39.827 9.703,41.427 9.55,45.568 6.731,45.999 -10.566,46.787 -2.184,46.965 0.1,47.177 -1.194,47.219 1.45,47.325 2.975,47.675 9.58,48.163 6.68,48.819 -1.092,49.047 1.4,49.325 -5.588,49.352 -9.675,49.875 -4.064,50.114 10.185,50.952 6.68,52.324 3.759,53.467 7.341,53.518 10.719,53.975 -4.875,54.075 8.763,54.915 4.394,54.991 6.782,55.245 10.998,55.601 8.712,55.753 -0.076,56.337 6.553,56.744 -9.373,57.531 -0.635,58.953 5.563,60.681 4.42,60.808 7.569,61.163 7.645,62.636 -3.861,62.713 11.709,62.763 8.661,63.932 3.353,64.719 -4.064,65.151 7.798,65.405 12.878,65.507 -12.319,66.548 7.645,66.827 -2.667,67.031 -10.82,67.31 6.579,67.666 10.033,67.691 4.724,67.716 12.878,67.716 14.808,67.716 -4.191,68.402 -0.483,69.012 -11.074,69.469 -6.731,69.494 -4.064,69.85 0.533,72.466 -2.616,72.923 -3.632,73.076 2.21,73.482 -4.572,74.397 -3.81,78.232 -0.152,78.461 -13.487,78.715 2.642,79.07 -2.692,79.375 -13.589,81.788 -0.889,81.788 -11.506,82.118 -4.928,82.398 0.432,83.058 -15.723,83.464 -10.109,83.972 6.223,84.277 -4.928,84.404 -0.889,86.538 3.937,86.716 10.668,87.325 7.899,87.732 1.397,87.782 -3.175,87.984 -15.824,88.392 7.01,90.018 -8.077,90.627 -13.6,90.85 -6.579,91.389 -3.124,91.567 -0.559,91.846 2.489,93.167 11.151,93.599 -14.986,93.826 6.731,94.386 -0.152,94.513 4.75,96.85 10.465,97.79 1.499,101.727 11.1,102.03 -11.557,102.057 6.756,102.718 -15.24,102.894 15.24,102.894 -2.261,103.022 -5.309,103.175 3.556,104.623 -10.846,105.283 7.518,105.689 1.092,105.715 -15.24,105.942 15.24,105.942 -3.048,106.705 -6.071,107.213 -11.887,107.772 -10.541,107.925 -1.194,108.255 -8.255,108.306 3.581,108.736 -15.24,108.99 15.24,108.99 1.016,109.879 -2.794,110.185 -5.74,110.235 -15.24,112.038 15.24,112.038 8.941,112.624 -15.24,115.086 15.24,115.086 -4.064,116.256 -9.779,116.535 -11.887,117.119 9.474,117.143 -15.24,118.134 15.24,118.134 4.318,118.667 -2.134,119.075 -9.042,119.558 5.563,120.853 -15.24,121.182 -11.989,121.183 15.24,121.182 -4.724,123.698 9.703,124.079 -15.24,124.23 15.24,124.23 6.172,126.289 -10.109,126.314 -0.102,126.594 -15.24,127.278 15.24,127.278 -6.096,127.406 9.931,127.533 -15.24,130.326 15.24,130.326 -15.24,133.374 15.24,133.374 -5.715,134.036 5.512,134.112 -10.795,134.137 9.474,134.798 -15.24,136.422 15.24,136.422 -15.24,139.47 15.24,139.47 6.579,141.021 -1.88,141.122 -15.24,142.518 -4.496,144.399 -8.814,144.653 6.426,144.729 -0.762,146.38 15.24,148.614 0.33,150.724 -2.87,150.901 -2.972,152.756 -12.192,155.98 -9.144,155.98 -6.096,155.98 -3.048,155.98 0,155.98 3.048,155.98 6.096,155.98 9.144,155.98 12.192,155.98
  other v3: -5,39.944 -5.778,40.722 -4.222,40.722 -6.556,41.5 -5,41.5 -5.778,42.278 -4.222,42.278 -5,43.056 -8.299,58.776 -7.199,58.776 -6.099,58.776 -8.299,59.876 -6.099,59.876 -8.299,60.976 -7.199,60.976 -6.099,60.976 -12.35,95.7 -11.25,95.7 -10.15,95.7 -12.35,96.8 -11.25,96.8 -10.15,96.8
  other v5: -3.45,44.5
GPIO0: LCD1.4 Q4.3 R21.2 U5.15 | length 93.9
  Top Layer w0.15: v1(-8.179,105.842) -1.626,105.842 v1(-0.787,106.68) ; Q4.3@-4.191,52.849 v1@-3.551,52.849 ; U5.15@-4.116,44.152 -3.925,44.343 -3.925,45.325 -3.314,45.936 -3.314,47.029 v1(-2.921,47.422) ; v1(2.057,107.798) 2.057,104.572 4.877,101.752 4.877,100.343 R21.2@4.051,99.517 ; v1(2.057,110.768) 2.057,113.457 LCD1.4@2.1,113.5 ; v1@-3.551,52.849 v1(-3.55,52.85)
  Bottom Layer w0.15: v1(-8.179,105.842) -8.768,105.253 -8.768,101.394 -7.074,99.701 -7.074,98.996 -7.299,98.771 -7.299,92.352 -9.059,90.592 -9.059,86.994 -8.425,86.36 -8.425,86.353 -8.449,86.329 -8.449,84.681 -8.434,84.666 -8.434,83.279 -8.449,83.264 -8.449,69.059 -7.264,67.875 -7.264,62.809 -5.907,61.451 -5.903,61.451 -5.624,61.173 -5.624,56.835 -5.19,56.401 -5.19,55.174 -3.55,53.533 v1(-3.55,52.85) -3.539,52.839 -3.539,47.759 -3.202,47.422 v1(-2.921,47.422) ; v1(-0.787,106.68) 0.33,107.798 v1(2.057,107.798) v1(2.057,110.768)
HSPI_CLK: LCD1.6 U5.9 | length 89.4
  Top Layer w0.15: U5.9@-1.995,42.03 -1.68,42.345 3.121,42.345 3.367,42.1 4.152,42.1 4.318,42.266 4.47,42.113 v1(4.496,42.113) ; v1(-0.533,110.514) -0.533,113.467 LCD1.6@-0.5,113.5
  Bottom Layer w0.15: v1(-0.533,110.514) -7.688,103.36 -7.688,101.616 -5.705,99.633 -5.705,94.514 -6.005,94.214 -6.005,86.005 -6.353,85.658 -6.353,74.103 -6.35,74.101 -6.35,71.196 -5.288,70.134 -5.288,63.378 -5.161,63.251 -5.157,63.251 -3.824,61.918 -3.824,57.581 -3.39,57.147 -3.39,55.919 -1.172,53.701 -1.172,52.614 0.59,50.852 3.665,50.852 5.45,49.067 5.45,45.351 4.458,44.359 4.458,42.151 v1(4.496,42.113)
HSPI_CS_GPIO_15: LCD1.5 R25.2 U5.13 | length 96.1
  Top Layer w0.15: R25.2@-14.6,86.8 -14.148,87.252 -8.27,87.252 -8.066,87.048 -7.631,87.048 -7.323,87.356 -7.27,87.356 v1(-7.137,87.224) -6.947,87.414 -7.239,87.706 -7.759,88.227 -7.759,88.917 -0.203,96.473 -0.203,109.701 0.8,110.704 LCD1.5@0.8,113.5 ; U5.13@-3.409,43.445 -2.532,44.322 v1(-2.159,44.322)
  Bottom Layer w0.15: v1(-7.137,87.224) -7.112,87.198 -7.112,85.896 -6.953,85.736 -6.953,73.855 -6.95,73.852 -6.95,70.948 -5.888,69.886 -5.888,63.129 -5.41,62.651 -5.406,62.651 -4.424,61.67 -4.424,57.332 -3.99,56.898 -3.99,55.671 -1.772,53.452 -1.772,52.366 0.341,50.252 3.416,50.252 4.85,48.818 4.85,45.6 3.117,43.867 -0.549,43.867 -0.733,44.05 -1.167,44.05 -1.392,44.275 -1.794,44.275 -1.858,44.339 -2.142,44.339 v1(-2.159,44.322)
HSPI_MOSI: LCD1.3 U5.12 | length 89.4
  Top Layer w0.15: v1(-6.604,87.833) -6.814,88.043 -7.152,88.043 -7.459,88.351 -7.459,88.792 0.152,96.404 0.152,107.999 3.4,111.247 LCD1.3@3.4,113.5 ; U5.12@-3.055,43.091 -2.35,43.797 -1.439,43.797 -1.55,43.686 v1(-1.55,43.677)
  Bottom Layer w0.15: v1(-6.604,87.833) -6.604,85.831 -6.653,85.782 -6.653,73.979 -6.65,73.977 -6.65,71.072 -5.588,70.01 -5.588,63.254 -5.285,62.951 -5.281,62.951 -4.124,61.794 -4.124,57.457 -3.69,57.023 -3.69,55.795 -1.472,53.576 -1.472,52.49 0.466,50.552 3.54,50.552 5.15,48.943 5.15,45.475 3.241,43.567 -1.44,43.567 v1(-1.55,43.677)
IN1: pad.1@-13.309,63.439 U4.5 | length 10.9
  Top Layer w0.15: pad.1@-13.309,63.439 -12.446,64.302 -12.446,65.556 -11.278,66.724 -8.428,66.724 -8.181,66.971 -7.029,66.971 -5.969,65.912 U4.5@-5.969,65.271 U4.5@-5.969,65.017
IR_EN: U1.1 U1.7 U3.8 | length 99.8
  Top Layer w0.15: U1.7@-13.763,146.128 -13.763,144.911 -14.263,144.411 U1.1@-14.263,143.128 -14.263,142.66 -13.564,141.961 -9.931,141.961 -8.682,140.711 -8.686,140.707 -8.636,140.657 -8.636,133.655 v1(-8.96,133.33) ; v1(-8.56,67.335) -5.309,67.335 ; -5.309,67.335 -4.7,66.726 v1(-4.089,66.726) ; v1@-1.525,64.133 v1@-1.45,64.208 ; v1(-1.45,64.328) v1@-1.45,64.208 ; U3.8@0.616,64.361 0.616,63.835 0.442,63.661 -0.111,63.661 -0.115,63.664 -0.115,63.689 -0.633,64.208 v1@-1.45,64.208
  Bottom Layer w0.15: v1(-8.96,133.33) -8.712,133.082 -8.712,121.056 -6.426,118.77 -6.426,115.763 -9.703,112.487 -9.703,101.905 -7.374,99.576 -7.374,99.121 -7.599,98.896 -7.599,92.477 -9.359,90.717 -9.359,86.87 -8.749,86.259 -8.749,84.556 -8.734,84.542 -8.734,83.403 -8.749,83.388 -8.749,68.183 -8.56,67.994 v1(-8.56,67.335) ; v1(-4.089,66.726) -4.089,66.414 -2.003,64.328 v1(-1.45,64.328)
JOYSTK: R7.1 U4.13 | length 18.6
  Top Layer w0.15: v1(-12.833,75.743) -12.833,78.586 -12.573,78.846 -12.573,78.943 -11.138,80.378 R7.1@-11.138,80.416 ; v1(-10.439,68.148) -10.414,68.174 -9.526,68.174 -7.239,70.461 U4.13@-7.239,70.921
  Bottom Layer w0.15: v1(-12.833,75.743) -12.833,74.42 -10.439,72.026 v1(-10.439,68.148)
LCD_LED: Q2.1 U3.7 | length 36.1
  Top Layer w0.15: Q2.1@-7.503,96.361 -4.894,93.751 v1(-4.877,93.751) ; v1(-1.1,65.528) -1.1,65.398 -0.012,64.31 U3.7@0.216,64.31
  Bottom Layer w0.15: v1(-4.877,93.751) -5.105,93.751 -5.105,85.633 -5.453,85.285 -5.453,74.476 -5.45,74.474 -5.45,73.756 -1.549,69.856 -1.549,65.886 -1.191,65.528 v1(-1.1,65.528)
LCD_RES: C6.2 LCD1.9 R3.2 | length 27.3
  Top Layer w0.15: LCD1.9@-4.403,113.511 -4.403,109.483 v1(-1.93,107.01) ; v1(3.302,101.778) 4.077,101.003 R3.2@4.077,100.914 ; C6.2@11.112,99.517 11.138,99.543 v1(12.344,99.543)
  Bottom Layer w0.15: v1(-1.93,107.01) v1(3.302,101.778) 5.537,99.543 v1(12.344,99.543)
LDRSNS: C9.2 R9.1 R13.1 U4.15 | length 8.4
  Top Layer w0.15: R9.1@-14.783,74.638 -14.702,74.557 -11.243,74.557 -11,74.8 -11,73.239 C9.2@-11.163,73.076 -9.779,71.691 U4.15@-9.779,70.921
MQ3: P1.4 R14.2 | length 79.4
  Top Layer w0.15: R14.2@-14.757,80.48 -14.757,82.372 v1(-14.224,82.906) ; v1(-9.677,122.072) -9.728,122.072 -4.75,127.051 -1.448,127.051 0.025,128.524 0.025,139.624 v1(1.194,140.792)
  Bottom Layer w0.15: v1(-14.224,82.906) -14.224,93.98 -15.164,94.92 -15.164,100.762 -12.446,103.48 -12.446,119.304 v1(-9.677,122.072) ; v1(1.194,140.792) 0.991,140.995 0.991,147.015 1.219,147.244 2.489,147.244 P1.4@3.785,148.539
MQ3_EN: Q6.1 Q8.1 U3.6 | length 93.9
  Top Layer w0.15: Q8.1@-7.65,143.05 -7.65,141.219 -8,140.869 -8,126.238 -12.548,121.69 -12.548,106.096 -8.355,101.903 v1(-7.163,101.903) ; v1(-5.791,72.542) -6.604,71.73 -6.604,70.155 -5.46,69.01 -3.695,69.01 -0.979,66.294 v1(-0.991,66.294) -0.991,66.182 U3.6@-0.009,65.2 ; v1(-0.775,70.178) -0.247,70.178 -0.246,70.177 Q6.1@0.401,70.824
  Bottom Layer w0.15: v1(-7.163,101.903) -5.405,100.146 -5.405,94.39 -5.705,94.09 -5.705,85.881 -6.053,85.534 -6.053,74.228 -6.05,74.225 -6.05,72.801 v1(-5.791,72.542) ; v1@-5.795,72.538 v1@-5.795,72.542 ; v1(-0.991,66.294) -1.168,66.472 -1.168,69.976 -0.966,70.178 v1(-0.775,70.178) v1@-0.61,70.344
NetANT1_1: ANT1.1 C14.2 | length 1.5
  Top Layer w0.2: ANT1.1@0.836,40.036 ANT1.1@1.372,40.036
  Top Layer w0.635: C14.2@0.166,39.366 ANT1.1@0.836,40.036
NetB1_1: B1.1 R34.1 | length 32.4
  Top Layer w0.8: v2(-1.549,122.935) -1.524,122.909 v2(0.076,122.909) 0.102,122.884 v2(1.676,122.884) 1.676,122.909 6.452,122.909 12.179,117.181 R34.1@12.179,100.913
  other v2: 0,121.25 -2.75,121.5 2.75,121.5 -2.75,124.75 2.75,124.75 0,125
NetB1_2: B1.2 SW1.3 SW1.4 | length 17
  Top Layer w1: SW1.3@7.05,47.507 SW1.4@10.191,46.897
  Bottom Layer w1: B1.2@0,40.65 0.116,40.766 3.864,40.766 3.916,40.713 5.913,40.713 7.732,42.532 7.732,46.825 SW1.3@7.05,47.507
NetBTN1_1: BTN1.1 R1.2 R7.2 | length 25.5
  Top Layer w0.15: R7.2@-12.738,80.416 -12.738,82.918 -13.437,83.617 -13.437,86.538 -13.081,86.893 -8.335,86.893 -8.14,86.699 -3.993,86.699 BTN1.1@-3.408,86.114 -1.822,87.7 -1.1,87.7 -0.5,88.3 -0.5,90.769 R1.2@-2.166,92.434
NetBTN1_3: BTN1.3 R5.1 R6.2 | length 10.3
  Top Layer w0.15: BTN1.3@-1.386,84.092 -1.386,83.718 R5.1@1.085,81.246 2.482,81.246 5.034,83.798 R6.2@5.034,85.234
NetBTN1_4: BTN1.4 R1.1 R5.2 | length 13.5
  Top Layer w0.15: R1.1@-1.034,93.566 1.386,91.145 BTN1.4@1.386,90.908 0.254,89.776 0.254,84.34 R5.2@2.217,82.378
NetBTN1_6: BTN1.6 R6.1 | length 3.8
  Top Layer w0.15: BTN1.6@3.408,88.886 3.645,88.886 R6.1@6.166,86.366
NetC10_2: C10.2 U2.9 | length 1.3
  Top Layer w0.15: U2.9@1.872,59.36 3.11,59.36 C10.2@3.15,59.32 ; U2.9@1.874,59.314 U2.9@1.88,59.32
NetC14_1: C14.1 U5.2 | length 3.2
  Top Layer w0.15: U5.2@-4.116,38.848 U5.2@-3.868,38.6
  Top Layer w0.2: U5.2@-3.868,38.6 -3.818,38.55 -1.65,38.55 -1.434,38.334 C14.1@-1.166,38.334
NetC15_2: C15.2 U5.27 Y1.1 | length 9.8
  Top Layer w0.15: U5.27@-7.298,40.263 -7.551,40.01 -7.551,39.184 -7.798,38.937 -7.798,37.387 -7.053,36.642 -6.771,35.26 -7.239,34.517 -7.214,34.39 Y1.1@-7.443,33.847 -7.443,32.397 C15.2@-6.604,31.558
NetC17_2: C17.2 U6.6 | length 1.4
  Top Layer w0.15: U6.6@-4.724,60.876 C17.2@-3.372,60.876
NetC19_2: C19.2 U5.28 Y1.3 | length 9.9
  Top Layer w0.15: U5.28@-6.945,39.909 -7.251,39.603 -7.251,39.06 -7.442,38.868 -7.442,37.538 Y1.3@-6.057,36.153 -5.988,35.865 -6.716,34.68 -6.35,33.044 -6.35,32.828 C19.2@-5.08,31.558
NetC31_1: C31.1 IC3.1 Q6.3
NetD1_1: D1.1 M1.2 Q1.3 | length 11.8
  Top Layer w0.5: Q1.3@-3.277,145.546 -1.855,145.546 D1.1@0.762,142.929 1.857,141.834 5.181,141.834 M1.2@6.426,143.079
NetD2_1: D2.1 IC3.3 L1.2
NetD3_1: D3.1 R27.1 U9.5 | length 9
  Top Layer w0.15: R27.1@-2.667,57.288 -2.743,57.212 -2.743,57.085 -2.616,56.958 -2.768,56.806 -2.565,56.603 v1(-2.565,56.261) ; D3.1@-1.587,51.384 -1.587,52.067 -2.153,52.632 -2.153,53.469 -1.621,54 U9.5@-1.378,54 -1.352,53.975 -1.327,54 v1(-0.33,54)
  Bottom Layer w0.15: v1(-2.565,56.261) -2.565,56.032 -0.508,53.975 -0.483,54 v1(-0.33,54)
NetD3_2: D3.2 Q7.6 Q7.7 R30.1 SW1.2 SW1.5 U9.6 | length 22
  Top Layer w0.15: U9.6@-1.378,53.05 -1.378,52.775 D3.2@0.013,51.384 0.112,51.384 1.053,52.325 1.49,52.325 2.667,53.502 2.667,53.505 3.547,52.625 5.23,52.625 5.588,52.983 5.588,53.313
  Top Layer w1: 5.588,53.313 v2(5.588,55.879) ; SW1.2@7.527,49.961 SW1.5@10.668,49.351
  Bottom Layer w1: v2(5.588,55.879) 5.588,51.9 SW1.2@7.527,49.961
  other v2: 5.613,54.812